# Allegro board board_orcad.brd (continued)
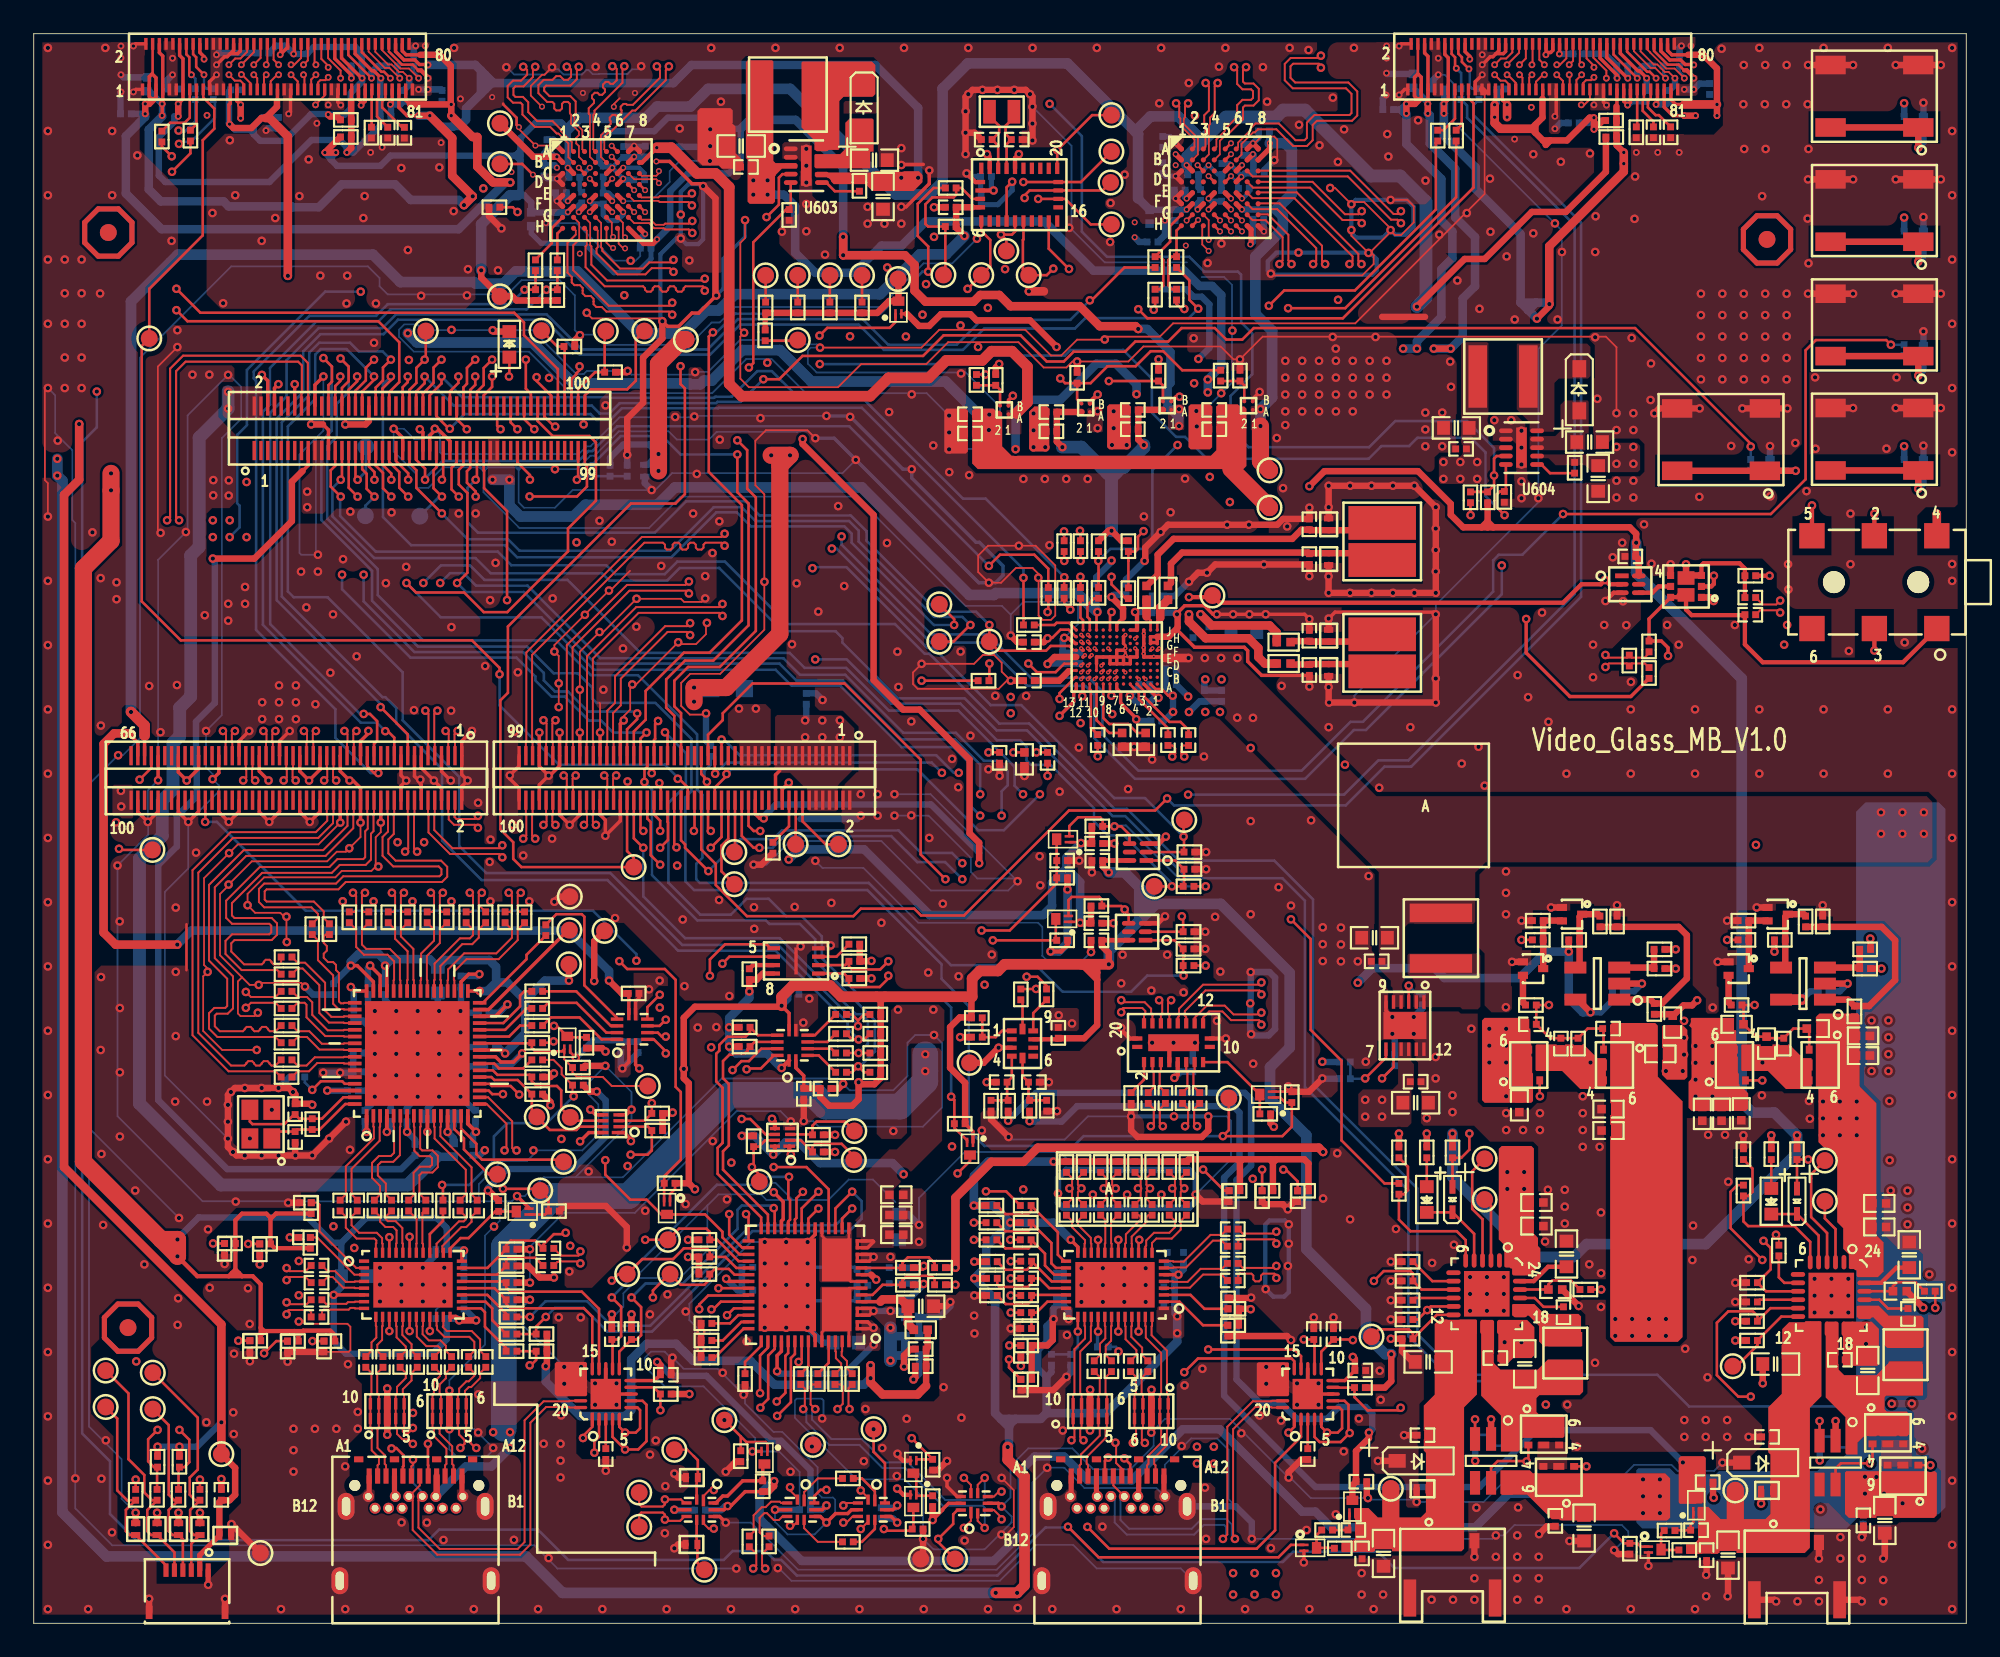
[diagram p0: board, top side]
## Routing (per net, layer and track width the routed paths; a pad name or vN(x,y) marks a point on that pad's centre or on a via; arc(x,y) is an arc through that point) (continued)
LCD_1V8_L: length 81.5
  TOP w0.305: U602.C5 v2(34.29,86.29) ; v2(36.95,82.05) 36.7,81.8 36.15,81.8 U602.H7 ; U602.D6 v2(34.94,85.64) ; U602.B7 v2(35.59,86.94)
  TOP w0.508: v1(65.47,76.73) 65.31,76.9 63.19,76.9 62,78.08 57.9,78.08 57.24,78.75 56.11,78.75 55.71,78.35 52.86,78.35 52.21,79 52.21,80.53 51.64,81.1 v1(47.98,81.1) v1(47.98,82.19)
  BOTTOM w0.254: C631.1 34.88,86.9 34.29,86.31 v2(34.29,86.29) v2(34.94,85.64)
  BOTTOM w0.305: v2(34.29,86.29) 34.19,86.39 C632.1 ; R601.1 29.49,82.4 30.07,81.81 32.64,81.81 34.39,80.07 35.75,80.07 36.59,80.9 C630.1
  BOTTOM w0.381: C632.1 33.53,86.61 33.53,87.82 34.17,88.46 36.78,88.46 37.58,89.26 40.26,89.26 40.92,88.6 41.91,88.6 41.91,86.66 41.2,85.95 38.78,85.95 37.73,84.91 37.73,82.83 v2(36.95,82.05) 36.59,81.69 C630.1 ; C634.1 35.6,86.93 v2(35.59,86.94) 35.55,86.9 C631.1 ; v2(34.94,85.64) 35.01,85.57 C633.1
  BOTTOM w0.508: 67.38,71.98 v1(67.89,71.98) 67.89,71.47 ; 67.38,71.98 67.89,71.47 ; 67.38,71.98 67.21,72.14 67.21,73.36 67.38,73.53 67.38,75.36 66.01,76.73 v1(65.47,76.73) ; 41.91,88.6 42.44,89.13 45.16,89.13 47.98,86.31 v1(47.98,82.19) v1(47.98,81.1) ; 67.89,71.47 v1(67.89,70.98)
LCD_1V8_R: length 36.7
  TOP w0.305: U601.C5 v2(70.97,86.44) ; v2(72.12,81.75) 72.16,81.79 72.16,82.62 U601.H7 ; U601.B7 v2(72.27,87.09) ; U601.D6 v2(71.58,85.75)
  ART06 w0.381: v2(71.58,85.75) 72.29,85.75 72.69,85.34 72.69,83.39 72.27,82.96 72.27,81.9 v2(72.12,81.75) 72.12,81.56 71.55,81
  ART06 w0.508: 67.27,79.65 67.29,79.64 67.29,79.28 ; 67.27,79.65 66.91,79.65 ; 67.27,79.65 67.67,79.65 ; 71.55,81 70.21,79.65 67.67,79.65 ; 67.29,79.27 67.67,79.65 ; 67.29,79.27 67.29,79.28 ; 67.29,79.27 67.34,79.22 67.34,77.22 64.85,74.73 64.85,73.38 64.08,72.62 63.83,72.62 v1(63.07,71.85) v1(63.07,70.85) ; 67.29,79.28 66.91,79.65 ; 66.91,79.65 66.08,79.65 65.26,80.47 v2(65.26,82.17) v2(65.26,83.05)
  BOTTOM w0.254: v2(70.97,86.44) 71.58,85.83 v2(71.58,85.75)
  BOTTOM w0.305: C625.1 70.87,86.54 v2(70.97,86.44)
  BOTTOM w0.381: v2(71.58,85.75) 71.78,85.95 C627.1 72.3,87.06 v2(72.27,87.09) 72.21,87.03 C629.1 ; C626.1 72.27,81.9 v2(72.12,81.75) ; C628.1 65.54,81.89 v2(65.26,82.17)
LL_VBAT: length 62.4
  TOP w0.381: R929.1 v1(59.03,29.77)
  BOTTOM w0.381: v1(97.76,9.53) 95.84,11.45 89.07,11.45 85.7,8.08 75.98,8.08 70.56,13.49 70.56,26.42 71.48,27.33 71.48,30.28 71.09,30.66 61.85,30.66 60.93,29.74 59.05,29.74 v1(59.03,29.77)
LLV1A: length 44.4
  TOP w0.114: J601.31 12.45,91.25 12.24,91.46 11.92,91.46 v5(11.57,91.8)
  TOP w0.152: U602.F7 v2(35.59,83.66)
  ART03 w0.102: v5(11.57,91.8) 11.4,91.64 11.4,91.36 11.08,91.03 9.93,91.03 9.72,90.82 9.72,90.61 9.88,90.45 9.88,90.25 9.72,90.09 9.72,89.91 9.92,89.71 9.92,89.42 9.72,89.22 9.72,88.71 9.79,88.64 9.79,88.62 ; 35.01,83.17 35.03,83.17 35.1,83.1 35.68,83.1 35.81,83.24 35.81,83.56 35.71,83.66 v2(35.59,83.66)
  ART03 w0.114: 35.01,83.17 34,83.17 33.89,83.29 33.89,83.35 33.77,83.46 33.54,83.46 33.43,83.35 33.43,83.29 33.32,83.17 33.11,83.17 32.66,82.72 32.5,82.72 32.37,82.84 32.21,82.84 32.05,82.68 32.05,82.52 32.17,82.4 32.17,82.23 31.59,81.65 31.3,81.65 31.18,81.76 31.18,81.78 31.07,81.89 30.84,81.89 30.72,81.78 30.72,81.76 30.61,81.65 26.81,81.65 25.64,82.82 8.63,82.82 8.51,82.93 8.51,84.39 8.63,84.5 9.25,84.5 9.79,85.04 9.79,85.64 9.9,85.76 9.94,85.76 10.05,85.87 10.05,86.1 9.94,86.21 9.9,86.21 9.79,86.33 9.79,86.56 9.9,86.67 9.94,86.67 10.05,86.79 10.05,87.01 9.94,87.13 9.9,87.13 9.79,87.24 9.79,87.47 9.9,87.59 9.94,87.59 10.05,87.7 10.05,87.93 9.94,88.04 9.9,88.04 9.79,88.16 9.79,88.62
LLV1B: length 44.5
  TOP w0.114: v5(11.57,92.4) 11.94,92.77 12.25,92.77 12.65,93.16 J601.32
  TOP w0.152: U602.F8 v2(36.24,83.66)
  ART03 w0.102: 9.44,88.62 9.44,88.64 9.51,88.71 9.51,90.9 9.85,91.24 11,91.24 11.2,91.44 11.2,92.03 v5(11.57,92.4) ; 35.01,82.83 35.02,82.83 35.09,82.9 35.76,82.9 36.02,83.15 36.02,83.56 36.12,83.66 v2(36.24,83.66)
  ART03 w0.114: 9.44,88.62 9.44,85.18 9.11,84.84 8.49,84.84 8.17,84.53 8.17,82.79 8.49,82.47 25.5,82.47 26.67,81.31 31.73,81.31 32.52,82.09 32.52,82.38 32.8,82.38 33.25,82.83 35.01,82.83
LLV2A: length 44
  TOP w0.102: 37.06,85.45 36.9,85.61 35.59,85.61 U602.C7
  TOP w0.114: J601.33 12.85,91.3 12.35,91.8 12.32,91.8 v5(12.31,91.82) ; v2(37.06,85.38) 37.06,85.45
  ART03 w0.102: v5(12.31,91.82) 12.31,91.8 12.14,91.64 12.14,91.29 11.71,90.86 11.54,90.86 10.85,90.16 10.85,88.77 10.92,88.7 10.92,88.67
  ART03 w0.114: 10.92,88.67 10.92,84.54 11.33,84.13 23.7,84.13 25.52,85.94 26.77,85.94 29.41,88.58 37.54,88.58 38.2,87.93 38.2,86.13 37.63,85.56 37.24,85.56 v2(37.06,85.38)
LLV2B: length 44.1
  TOP w0.102: U602.C8 36.04,85.81 36.9,85.81 37.06,85.97
  TOP w0.114: J601.34 13.05,93.14 v5(12.31,92.4) ; v2(37.06,86.09) 37.06,85.97
  ART03 w0.102: v5(12.31,92.4) 11.94,92.03 11.94,91.37 11.63,91.06 11.46,91.06 10.64,90.25 10.64,88.77 10.57,88.7 10.57,88.67
  ART03 w0.114: v2(37.06,86.09) 37.24,85.91 37.49,85.91 37.85,86.27 37.85,86.55 37.64,86.76 37.64,87 37.85,87.22 37.85,87.79 37.4,88.24 29.55,88.24 26.91,85.6 25.66,85.6 23.85,83.78 11.18,83.78 10.57,84.4 10.57,88.67
LLV3A: length 44.3
  TOP w0.114: J601.35 13.25,91.6 v5(13.04,91.8)
  TOP w0.152: U602.D7 v2(35.59,84.96)
  ART03 w0.102: 36.65,84.21 36.63,84.21 36.56,84.28 36.09,84.28 35.81,84.55 35.81,84.86 35.71,84.96 v2(35.59,84.96) ; v5(13.04,91.8) 12.88,91.64 12.88,88.64 12.95,88.57 12.95,88.54
  ART03 w0.114: 36.65,84.21 37.7,84.21 39.38,85.89 39.38,88.76 38.69,89.46 28.12,89.46 25.85,87.19 23.64,87.19 21.96,85.51 13.06,85.51 12.95,85.63 12.95,86.36 13.16,86.57 13.16,86.98 12.95,87.19 12.95,87.5 13.13,87.69 13.13,88.12 12.95,88.31 12.95,88.54
LLV3B: length 44.2
  TOP w0.114: J601.36 13.45,92.8 v5(13.04,92.4)
  TOP w0.152: U602.D8 v2(36.24,84.96)
  ART03 w0.102: 12.6,88.54 12.6,88.57 12.67,88.64 12.67,92.03 v5(13.04,92.4) ; v2(36.24,84.96) 36.12,84.96 36.02,84.86 36.02,84.63 36.17,84.48 36.56,84.48 36.63,84.55 36.65,84.55
  ART03 w0.114: 12.6,88.54 12.6,85.48 12.92,85.17 22.11,85.17 23.78,86.85 25.99,86.85 28.26,89.11 38.55,89.11 39.04,88.62 39.04,86.03 37.56,84.55 36.65,84.55
LLV4A: length 44.5
  TOP w0.102: U602.E7 35.57,84.33 37.03,84.33 37.1,84.26 37.12,84.26
  TOP w0.114: 37.12,84.26 38.81,84.26 v1(39.01,84.05) ; v5(13.78,91.8) 13.65,91.67 J601.37
  ART03 w0.102: v5(13.78,91.8) 13.61,91.64 13.61,91.24 14.61,90.25 14.61,89.45 14.67,89.38 14.67,89.36
  ART03 w0.114: 14.67,89.36 14.67,88.2 15.31,87.57 15.96,87.57 16.74,88.35 17.97,88.35 18.23,88.61 25.93,88.61 27.96,90.64 31.2,90.64 31.52,90.32 33.15,90.32 33.48,90.65 34.96,90.65 35.28,90.33 37.44,90.33 37.64,90.53 39.62,90.53 40.92,89.23 40.92,84.8 40.36,84.24 39.2,84.24 v1(39.01,84.05)
LLV4B: length 44.5
  TOP w0.102: 37.12,84.6 37.1,84.6 37.03,84.53 36.02,84.53 U602.E8
  TOP w0.114: v1(39.01,84.77) 38.85,84.6 37.12,84.6 ; v5(13.78,92.4) 13.85,92.46 J601.38
  ART03 w0.102: v5(13.78,92.4) 13.41,92.03 13.41,91.15 14.4,90.16 14.4,89.45 14.33,89.38 14.33,89.36
  ART03 w0.114: v1(39.01,84.77) 39.2,84.58 40.22,84.58 40.58,84.94 40.58,89.09 39.48,90.19 37.78,90.19 37.58,89.99 35.14,89.99 34.82,90.31 33.62,90.31 33.29,89.98 31.37,89.98 31.05,90.3 28.1,90.3 26.07,88.27 18.37,88.27 18.11,88.01 16.89,88.01 16.1,87.22 15.16,87.22 14.99,87.4 14.83,87.4 14.79,87.36 14.62,87.36 14.46,87.52 14.46,87.68 14.5,87.72 14.5,87.88 14.33,88.06 14.33,89.36
LLV5A: length 44.5
  TOP w0.102: U602.G7 35.59,83.01 36.47,83.01 36.78,82.7 37.34,82.7 37.41,82.63 37.44,82.63
  TOP w0.114: J601.39 14.05,91.42 14.43,91.8 v5(14.52,91.8) ; 37.44,82.63 38.83,82.63 v1(39.04,82.42)
  ART03 w0.102: v5(14.52,91.8) 14.4,91.69 14.4,91.46 14.95,90.91 16.47,90.91 16.54,90.98 16.56,90.98
  ART03 w0.114: v1(39.04,82.42) 39.22,82.61 40.57,82.61 41.9,83.93 41.9,90.39 40.74,91.54 24.69,91.54 23.66,90.51 22.16,90.51 21.7,90.98 16.56,90.98
LLV5B: length 44.4
  TOP w0.102: U602.G8 36.04,83.21 36.56,83.21 36.86,82.91 37.34,82.91 37.41,82.98 37.44,82.98
  TOP w0.114: 37.44,82.98 38.83,82.98 38.99,83.13 v1(39.04,83.13) ; J601.40 14.22,93.61 14.22,92.69 v5(14.52,92.4)
  ART03 w0.102: 16.56,90.63 16.54,90.63 16.47,90.7 14.87,90.7 14.15,91.43 14.15,92.03 v5(14.52,92.4)
  ART03 w0.114: 16.56,90.63 17.3,90.63 17.49,90.44 17.76,90.44 17.95,90.63 18.22,90.63 18.41,90.44 18.68,90.44 18.87,90.63 19.13,90.63 19.32,90.44 19.59,90.44 19.78,90.63 21.56,90.63 22.02,90.17 23.8,90.17 24.83,91.2 40.6,91.2 41.55,90.25 41.55,84.08 40.43,82.95 39.22,82.95 v1(39.04,83.13)
LLV6A: length 41.2
  TOP w0.102: U602.B2 31.69,86.91 31.69,87.73 31.1,88.32 31.01,88.32 30.99,88.33
  TOP w0.114: J601.53 16.85,91.34 16.99,91.48 17.29,91.48 v5(17.46,91.65) ; 30.99,88.33 30.61,88.71 29.7,88.71 28.97,89.44 28.97,90.03 28.85,90.15 28.41,90.15 28.09,90.46 28.09,91.14 28.41,91.45 28.89,91.45 29.25,91.81 29.25,92.09 29.13,92.2 29.08,92.2 v1(29.01,92.27)
  ART06 w0.102: v5(17.46,91.65) 17.37,91.65 15.78,90.06 15.78,88.94 15.85,88.87 15.85,88.85
  ART06 w0.114: v1(29.01,92.27) 29.01,92.2 29.09,92.12 29.09,91.96 28.83,91.69 27.36,91.69 27.24,91.81 27.24,92.1 27.13,92.22 26.9,92.22 26.79,92.1 26.79,91.81 26.67,91.69 26.17,91.69 25.71,91.23 25.71,90.71 26.02,90.39 26.32,90.39 26.43,90.28 26.43,89.94 25.15,88.66 23.13,88.66 22.81,88.34 22.81,87.54 22.69,87.41 22.47,87.41 22.36,87.53 22.36,88.35 22.08,88.63 22.08,89.26 21.74,89.6 21.1,89.6 20.78,89.28 20.78,88.01 21.06,87.73 21.06,86.74 20.64,86.31 19.68,86.31 19.48,86.51 18.62,86.51 18.42,86.31 18.08,86.31 17.88,86.51 17.02,86.51 16.82,86.31 15.74,86.31 15.49,86.57 15.49,86.93 15.6,87.04 15.76,87.04 15.88,87.15 15.88,87.38 15.76,87.5 15.6,87.5 15.49,87.61 15.49,87.85 15.85,88.21 15.85,88.85
LLV6B: length 41.2
  TOP w0.102: U602.A2 31.9,87.36 31.9,87.81 31.25,88.46 31.25,88.56 31.23,88.58
  TOP w0.114: v1(29.72,92.27) 29.72,92.2 29.59,92.07 29.59,91.67 29.03,91.11 28.55,91.11 28.44,91 28.44,90.6 28.55,90.49 29,90.49 29.31,90.17 29.31,89.59 29.84,89.05 30.76,89.05 31.23,88.58 ; J601.54 17.05,92.74 17.46,92.34 v5(17.46,92.24)
  ART06 w0.102: v5(17.46,92.24) 17.09,91.87 17.09,91.65 15.57,90.14 15.57,88.94 15.5,88.87 15.5,88.85
  ART06 w0.114: 15.5,88.85 15.5,88.35 15.14,87.99 15.14,86.43 15.6,85.97 16.96,85.97 17.16,86.17 17.74,86.17 17.93,85.97 18.56,85.97 18.76,86.17 19.34,86.17 19.54,85.97 20.78,85.97 21.41,86.6 21.41,87.87 21.13,88.15 21.13,89.14 21.24,89.26 21.6,89.26 21.74,89.12 21.74,88.48 22.01,88.21 22.01,87.39 22.33,87.07 22.83,87.07 23.16,87.4 23.16,88.2 23.27,88.32 25.3,88.32 26.78,89.8 26.78,90.42 26.46,90.74 26.17,90.74 26.05,90.85 26.05,91.09 26.32,91.35 28.97,91.35 29.72,92.11 v1(29.72,92.27)
LLV7A: length 40.9
  TOP w0.102: U602.B3 32.32,86.93 32.32,87.57 32.16,87.73 32.16,88.06 32.32,88.22 32.32,88.43 31.85,88.9 31.85,89.44 31.78,89.51 31.78,89.53
  TOP w0.114: J601.51 16.45,91.52 v5(16.73,91.8) ; 31.78,89.53 31.78,90.08 31.67,90.19 31.43,90.19 31.31,90.08 31.31,89.8 31.2,89.69 30.97,89.69 30.85,89.8 30.85,90.08 30.74,90.19 30.43,90.19 29.91,90.71 29.91,91.18 30.23,91.5 30.75,91.5 30.97,91.72 31.21,91.72 31.43,91.5 31.67,91.5 31.85,91.68 31.85,92.11 31.74,92.23 31.64,92.23 v1(31.6,92.27)
  ART06 w0.102: 14.45,87.83 14.45,87.86 14.38,87.93 14.38,88.54 14.55,88.72 14.55,88.93 14.38,89.1 14.38,89.4 16.56,91.58 16.56,91.64 v5(16.73,91.8)
  ART06 w0.114: 14.45,87.83 14.45,86.24 15.25,85.44 16.32,85.44 16.64,85.12 16.98,85.12 17.3,85.44 17.92,85.44 18.24,85.12 18.58,85.12 18.9,85.44 20.46,85.44 20.89,85.02 22.72,85.02 23.19,85.48 23.19,86.61 23.92,87.35 25.09,87.35 28.39,90.64 29.11,90.64 29.45,90.99 31.66,90.99 31.77,91.1 31.77,92.05 31.6,92.23 v1(31.6,92.27)
LLV7B: length 40.9
  TOP w0.102: 32.12,89.53 32.12,89.51 32.05,89.44 32.05,88.98 32.52,88.52 32.52,87.38 U602.A3
  TOP w0.114: v1(32.31,92.27) 32.31,92.23 32.19,92.11 32.19,91.54 31.81,91.16 30.37,91.16 30.26,91.04 30.26,90.85 30.57,90.53 31.81,90.53 32.12,90.22 32.12,89.53 ; J601.52 16.65,92.47 v5(16.73,92.4)
  ART06 w0.102: 14.11,87.83 14.11,87.86 14.18,87.93 14.18,89.48 16.36,91.66 16.36,92.03 v5(16.73,92.4)
  ART06 w0.114: 14.11,87.83 14.11,86.09 15.1,85.1 16.18,85.1 16.5,84.78 17.12,84.78 17.44,85.1 17.78,85.1 18.1,84.78 18.72,84.78 19.04,85.1 20.32,85.1 20.74,84.67 22.87,84.67 23.53,85.34 23.53,86.47 24.06,87.01 25.24,87.01 28.53,90.3 29.25,90.3 29.6,90.64 31.8,90.64 32.12,90.96 32.12,92.08 v1(32.31,92.27)
LLV8A: length 41.4
  TOP w0.102: 32.9,89.51 32.9,89.49 32.97,89.42 32.97,86.93 U602.B4
  TOP w0.114: 32.9,89.51 32.9,89.82 33.21,90.13 33.21,90.29 33.09,90.41 33.09,90.57 33.25,90.73 33.42,90.73 33.53,90.62 33.7,90.62 33.86,90.78 33.86,90.94 33.74,91.06 33.74,91.22 33.9,91.38 34.06,91.38 34.18,91.26 34.34,91.26 34.56,91.48 34.56,92.15 34.44,92.26 34.34,92.26 v1(34.3,92.31) ; v5(15.99,91.8) 16.05,91.74 J601.49
  ART06 w0.102: v5(15.99,91.8) 15.82,91.64 15.82,91.56 13.34,89.07 13.34,87.85 13.4,87.78 13.4,87.76
  ART06 w0.114: 13.4,87.76 13.4,85.91 15.19,84.12 23.11,84.12 28.51,89.52 31.93,89.52 33.61,91.2 33.61,91.51 33.52,91.6 33.52,91.77 33.69,91.93 33.85,91.93 33.94,91.84 34.1,91.84 34.3,92.04 v1(34.3,92.31)
LLV8B: length 41.5
  TOP w0.102: 33.24,89.51 33.24,89.49 33.17,89.42 33.17,87.38 U602.A4
  TOP w0.114: v5(15.99,92.4) 16.25,92.65 J601.50 ; v1(35.01,92.31) 35.01,92.26 34.9,92.15 34.9,91.33 33.24,89.67 33.24,89.51
  ART06 w0.102: v5(15.99,92.4) 15.62,92.03 15.62,91.65 13.13,89.16 13.13,87.85 13.06,87.78 13.06,87.76
  ART06 w0.114: 13.06,87.76 13.06,85.77 15.05,83.78 23.25,83.78 28.65,89.18 32.07,89.18 33.96,91.06 33.96,91.21 35.01,92.26 v1(35.01,92.31)
LLV9A: length 41.8
  TOP w0.114: J601.47 15.65,91.41 v5(15.25,91.8)
  TOP w0.152: U602.B6 v2(34.26,86.94)
  ART06 w0.102: 12.64,87.74 12.64,87.76 12.57,87.83 12.57,88.64 12.88,88.95 12.88,90.35 13.61,91.08 14.6,91.08 15.09,91.57 15.09,91.64 v5(15.25,91.8)
  ART06 w0.114: 12.64,87.74 12.64,86.82 11.42,85.61 11.42,83.85 12.46,82.81 25.53,82.81 27.14,84.42 27.14,86.05 29.64,88.55 32.92,88.55 33.04,88.67 33.04,88.77 33.15,88.88 33.38,88.88 33.49,88.77 33.49,88.67 33.61,88.55 33.84,88.55 33.95,88.67 33.95,88.77 34.06,88.88 34.29,88.88 34.41,88.77 34.41,88.67 34.52,88.55 34.76,88.55 35.08,88.24 35.08,87.43 34.74,87.09 34.41,87.09 v2(34.26,86.94)
LLV9B: length 41.7
  TOP w0.114: v5(15.25,92.4) 15.44,92.4 15.85,92.8 J601.48
  TOP w0.152: U602.A6 v2(34.26,87.59)
  ART06 w0.102: 12.3,87.74 12.3,87.76 12.37,87.83 12.37,88.73 12.67,89.04 12.67,90.43 13.53,91.29 14.52,91.29 14.88,91.65 14.88,92.03 v5(15.25,92.4)
  ART06 w0.114: v2(34.26,87.59) 34.41,87.44 34.6,87.44 34.73,87.57 34.73,88.09 34.62,88.21 29.78,88.21 27.48,85.91 27.48,84.28 25.67,82.47 12.32,82.47 11.08,83.71 11.08,85.75 12.3,86.96 12.3,87.74
LLV10A: length 41.4
  TOP w0.102: 34.03,88.72 34.01,88.7 34.01,88.6 33.62,88.21 33.62,86.93 U602.B5
  TOP w0.114: v1(36.94,92.3) 36.94,92.25 37.12,92.07 37.12,91.63 35.52,90.02 35.17,90.02 35.12,90.07 34.95,90.07 34.79,89.91 34.79,89.75 34.84,89.7 34.84,89.54 34.68,89.37 34.52,89.37 34.47,89.43 34.31,89.43 34.15,89.26 34.15,89.1 34.2,89.05 34.2,88.89 34.03,88.72 ; J601.55 17.25,90.57 16.71,90.03 v5(16.71,90.02)
  ART06 w0.102: 17.37,88.54 17.35,88.54 17.28,88.47 16.5,88.47 16.39,88.58 16.39,89.94 16.51,90.07 16.66,90.07 v5(16.71,90.02)
  ART06 w0.114: 17.37,88.54 17.96,88.54 18.07,88.65 18.07,88.79 18.18,88.9 18.41,88.9 18.53,88.79 18.53,88.65 18.64,88.54 18.87,88.54 18.98,88.65 18.98,88.79 19.1,88.9 19.33,88.9 19.44,88.79 19.44,88.65 19.56,88.54 19.77,88.54 19.89,88.65 19.89,90.4 20.24,90.75 21.84,90.75 22.15,90.45 23.62,90.45 26.35,93.18 38.48,93.18 38.8,92.86 38.8,91.95 38.2,91.35 37.44,91.35 37.12,91.67 37.12,92.07 36.94,92.25 v1(36.94,92.3)
LLV10B: length 41.4
  TOP w0.102: 34.27,88.48 34.25,88.46 34.16,88.46 33.82,88.13 33.82,87.38 U602.A5
  TOP w0.114: v5(18.19,91.6) 18.19,92.05 17.45,92.79 J601.56 ; v1(37.65,92.3) 37.65,92.25 37.47,92.07 37.47,91.48 35.66,89.68 35.47,89.68 34.27,88.48
  ART06 w0.102: 17.37,88.2 17.35,88.2 17.28,88.27 16.42,88.27 16.18,88.5 16.18,90.02 16.53,90.37 16.97,90.37 v5(18.19,91.6)
  ART06 w0.114: 17.37,88.2 19.91,88.2 20.23,88.51 20.23,90.26 20.38,90.41 21.7,90.41 22.01,90.11 23.76,90.11 26.49,92.84 38.34,92.84 38.46,92.72 38.46,92.09 38.06,91.69 37.58,91.69 37.47,91.81 37.47,92.07 37.65,92.25 v1(37.65,92.3)
LT_I2C_SCL: length 9.3
  TOP w0.152: U702.7 32.36,29.44 32.17,29.25 30.59,29.25 TP710.1 29.52,30.31 R703.1 28.69,32.21 27.3,32.21 27.13,32.38 U705.21
LT_I2C_SDA: length 9.4
  TOP w0.152: U702.6 32,29.79 TP709.1 31.27,30.53 31.27,31.6 31.01,31.85 29.79,31.85 29.52,32.12 R702.1 29.4,32.51 27.48,32.51 27.21,32.78 U705.22
LT_VCC12: length 66
  TOP w0.203: v1(19.94,38.99) 20.53,38.39 U705.46 ; U705.34 25.33,38.03 25.78,38.48 v1(26.42,38.48) ; U705.48 19.03,37.48 v1(18.8,37.72) ; v1(28.96,33.78) 28.45,33.27 27.69,33.27 27.38,33.58 U705.24 ; U705.30 27.37,35.98 v1(28.08,36.69)
  TOP w0.229: U705.4 v1(20.93,29.13) ; U705.1 v1(19.73,29.13) ; U705.10 v1(23.33,29.13) ; U705.13 v1(24.53,29.13)
  TOP w0.381: TP713.1 33.22,40.44 v1(33.22,38.07)
  ART06 w0.762: v1(28.08,36.69) 28.08,35.62 28.96,34.75 v1(28.96,33.78) 28.96,33.66 26.42,31.11 26.42,30.56 24.99,29.13 v1(24.53,29.13) v1(23.33,29.13) 23.33,28.62 22.82,28.1 21.44,28.1 20.93,28.61 v1(20.93,29.13) v1(19.73,29.13) 19.73,30 18.72,31.01 18.72,32.08 v1(18.16,32.64) 18.16,37.08 v1(18.8,37.72) 18.8,37.85 v1(19.94,38.99) ; v1(28.08,36.69) 28.08,38.11 27.71,38.48 v1(26.42,38.48) ; v1(28.08,36.69) 31.84,36.69 v1(33.22,38.07)
  BOTTOM w0.381: C724.1 19.63,29.23 v1(19.73,29.13) ; C719.1 27.58,36.2 v1(28.08,36.69) ; C717.1 24.89,29.49 v1(24.53,29.13) 24.89,28.77 R715.1 ; v1(19.94,38.99) 19.81,38.86 C725.1 ; v1(17.16,32.64) v1(18.16,32.64) 18.88,32.64 C726.1 C722.1 ; v1(18.8,37.72) 18.97,37.54 C723.1 ; C718.1 28.19,33.02 v1(28.96,33.78) ; v1(20.93,29.13) 21.16,29.36 C727.1 ; C720.1 26.3,38.37 v1(26.42,38.48)
LT_VCC33: length 133
  TOP w0.203: v1(18.8,38.99) 19.18,38.99 20.13,38.03 U705.47 ; U705.33 v1(26.43,37.48) ; v1(34.89,32.89) 35.28,33.28 U701.1 ; v1(27.94,33.78) 27.74,33.98 U705.25 ; U702.8 32.91,29.09 v1(32.38,28.57) ; U705.62 v1(17.4,31.58) ; U705.45 20.93,38.88 v1(20.83,38.99)
  TOP w0.229: v1(26.21,29.13) 25.73,29.61 U705.16 ; U705.7 v1(22.13,29.13)
  TOP w0.254: v1(60.27,39.83) 60.9,39.83 61.28,40.21 R711.1
  TOP w0.381: R703.2 30.63,30.91 v1(30.63,30.71) ; R702.2 30.62,32.38 v1(30.84,32.6) ; R716.2 v1(61.28,43.5) ; TP714.1 v1(31.72,38.1)
  ART03 w0.508: v1(40.16,34.15) 40.78,33.53 41.6,33.53 42.96,34.89 45.9,34.89 48.12,37.11 50.82,37.11 52.28,38.57 52.28,39.1 52.88,39.7 53.4,39.7 55.74,42.03 58.07,42.03 v1(60.27,39.83) ; v1(30.84,32.6) 30.46,32.97 28.75,32.97 v1(27.94,33.78) ; v1(26.43,37.48) 26.43,35.73 25.98,35.28 25.98,29.36 v1(26.21,29.13) 25.73,29.13 25.12,29.74 22.75,29.74 v1(22.13,29.13) 21.29,29.97 20.12,29.97 18.51,31.58 v1(17.4,31.58)
  ART05 w0.508: v1(40.16,34.15) 40.16,31.07 35.15,26.07 32.42,26.07 31.92,26.57 31.92,28.1 v1(32.38,28.57) 32.38,28.95 v1(30.63,30.71) 30.84,30.92 v1(30.84,32.6)
  ART06 w0.508: v1(34.89,32.89) 34.89,34.37 34.56,34.7 32.26,34.7 30.84,33.27 v1(30.84,32.6) 30.84,30.92 v1(30.63,30.71) 32.38,28.95 v1(32.38,28.57)
  BOTTOM w0.381: v1(18.8,38.99) 17.78,37.97 C714.1 ; v1(27.94,33.78) 27.56,34.16 C710.1 ; C711.1 26.04,28.96 v1(26.21,29.13) 26.19,29.16 C716.1 ; C713.1 v1(20.83,38.99) ; C703.1 35.82,33.82 v1(34.89,32.89) 34.8,32.99 C704.1 ; v1(17.4,31.58) 17.41,31.57 C715.1 ; C712.1 22.12,29.14 v1(22.13,29.13) 22.61,28.66 R714.1
  BOTTOM w0.508: v1(27.94,33.78) 29.13,34.98 29.13,36.93 ; 27.41,37.99 28.08,37.99 29.13,36.93 ; 27.41,37.99 27.41,38.91 27,39.32 24.39,39.32 C709.1 23.47,39.37 21.21,39.37 v1(20.83,38.99) 20.83,39.29 20.45,39.67 19.25,39.67 18.8,39.22 v1(18.8,38.99) ; 27.41,37.99 26.9,37.48 v1(26.43,37.48) ; v1(31.72,38.1) 30.3,38.1 29.13,36.93 ; v1(60.27,39.83) 60.77,39.83 61.28,40.34 v1(61.28,43.5)
MICBIAS1: length 39.1
  TOP w0.152: v3(64.09,56.37) 64.2,56.48 U1001.C7
  TOP w0.203: R1009.2 94.67,54.94 91.06,54.94 88.47,57.53 v1(88.47,59.54)
  GND02 w0.254: 64.66,56.82 64.21,56.37 v3(64.09,56.37)
  GND02 w0.305: 64.66,56.82 66.62,56.82 67.36,56.08 69.32,56.08 v1(69.44,55.96)
  ART03 w0.254: v1(88.47,59.54) 88.39,59.54 85.79,56.93 72.94,56.93 72.5,56.49 69.98,56.49 v1(69.44,55.96)
  BOTTOM w0.381: v1(69.44,55.96) 69.39,55.91 C1027.1 C1028.1
MICBIAS2: length 48
  TOP w0.152: U1001.C6 64.6,56.48 v3(64.71,56.37)
  TOP w0.254: R1012.2 v1(102.9,62.1)
  GND02 w0.254: 64.99,56.37 v3(64.71,56.37)
  GND02 w0.305: 64.99,56.37 66.24,56.37 67.06,55.55 67.82,55.55 v1(68.43,54.94)
  ART03 w0.254: v1(68.43,54.94) 68.43,55.7 67.67,56.46 67.67,57.73 68.25,58.32 72.18,58.32 72.93,57.57 85.52,57.57 89.11,61.16 99.57,61.16 100.51,62.1 v1(102.9,62.1)
  BOTTOM w0.381: C1030.1 C1029.1 v1(68.43,54.94)
MICDET1/HPOUTFB2: length 65
  TOP w0.152: U1001.B13 61.75,56.08 60.81,55.14 v1(60.81,54.8)
  TOP w0.203: U1002.6 95.75,59.54 R1011.1 96.48,58.23 96.88,57.84 v1(96.88,57.35)
  TOP w0.254: J1003.1 110.81,56.97 102.49,56.97 101.43,58.03 C1025.2 101.41,59.77 98.27,59.77 97.94,60.1 U1002.7 97.54,60.97 97.41,60.83 97.04,60.83 U1002.6
  ART06 w0.203: v1(60.81,54.8) 60.87,54.8 61.91,55.83 64,55.83 65.15,56.99 65.68,56.99 67.69,58.99 92.42,58.99 92.88,58.53 95.7,58.53 v1(96.88,57.35)
MICVDD: length 2.7
  TOP w0.152: U1001.C13 61.41,56.48 61.37,56.44
  TOP w0.381: C1010.1 60.78,55.88 61.34,56.44 61.37,56.44
MIPI_CSI0_CLK_N: length 25.2
  TOP w0.114: J501.18 22.17,47.99 22.2,47.96 22.2,45.93 v1(22.01,45.75) ; v1(12.57,36.49) 12.87,36.79 14.33,36.79 R734.2
  ART06 w0.114: v1(22.01,45.75) 22.2,45.56 22.2,44.96 21.63,44.39 12.91,44.39 11.44,42.92 11.44,37.25 11.9,36.79 12.46,36.79 12.57,36.67 v1(12.57,36.49)
MIPI_CSI0_CLK_P: length 25.1
  TOP w0.114: R735.2 14.33,37.13 12.87,37.13 v1(12.57,37.43) ; J501.16 22.57,47.99 22.54,47.96 22.54,45.93 v1(22.73,45.75)
  ART06 w0.114: v1(12.57,37.43) 12.57,37.24 12.46,37.13 12.05,37.13 11.79,37.39 11.79,38 11.9,38.12 11.93,38.12 12.04,38.23 12.04,38.46 11.93,38.57 11.9,38.57 11.79,38.69 11.79,38.92 11.9,39.03 11.93,39.03 12.04,39.15 12.04,39.37 11.93,39.49 11.9,39.49 11.79,39.6 11.79,42.78 13.05,44.04 21.77,44.04 22.54,44.82 22.54,45.56 v1(22.73,45.75)
MIPI_CSI0_LANE0_N: length 24
  TOP w0.114: J501.24 20.97,47.99 21,47.96 21,46.93 20.68,46.61 20.68,45.5 21.31,44.87 24,44.87 24.17,44.7 24.17,44.4 24.05,44.28 18.35,44.28 17.92,43.85 13.66,43.85 13.35,43.54 13.35,42.76 13.66,42.44 16.46,42.44 16.85,42.06 16.85,41.8 R738.2
MIPI_CSI0_LANE0_P: length 24
  TOP w0.114: J501.22 21.37,47.99 21.34,47.96 21.34,46.79 21.02,46.47 21.02,45.64 21.45,45.21 24.15,45.21 24.51,44.85 24.51,44.26 24.2,43.94 18.49,43.94 18.06,43.51 13.8,43.51 13.69,43.4 13.69,42.9 13.8,42.79 16.6,42.79 17.19,42.2 17.19,41.8 R739.2
MIPI_CSI0_LANE1_N: length 24.5
  TOP w0.114: R736.2 14.67,38.5 14.44,38.72 12.33,38.72 11.37,39.68 11.37,40.45 11.76,40.84 13.96,40.84 14.08,40.96 14.08,41.35 13.96,41.47 11.76,41.47 11.4,41.82 11.4,42.84 13.4,44.83 17.53,44.83 18,45.3 19.53,45.3 19.65,45.42 19.65,46.95 19.8,47.1 19.8,47.96 19.77,47.99 J501.30
MIPI_CSI0_LANE1_P: length 24.5
  TOP w0.114: R737.2 14.67,39.18 14.55,39.06 14.21,39.06 14.09,39.18 14.09,39.22 13.98,39.33 13.75,39.33 13.64,39.22 13.64,39.18 13.52,39.06 12.47,39.06 11.71,39.82 11.71,40.31 11.9,40.5 14.11,40.5 14.42,40.82 14.42,41.5 14.11,41.81 11.9,41.81 11.75,41.96 11.75,42.69 13.54,44.49 17.67,44.49 18.14,44.96 19.67,44.96 19.99,45.27 19.99,46.81 20.14,46.96 20.14,47.96 20.17,47.99 J501.28
MIPI_CSI0_LANE2_N: length 25.6
  TOP w0.114: J501.36 18.57,47.99 18.6,47.96 18.6,47.28 17.16,45.83 12.45,45.83 10.39,43.77 10.39,39.29 11.47,38.21 11.47,36.59 11.35,36.48 10.7,36.48 10.39,36.17 10.39,35.25 10.89,34.75 14.33,34.75 R732.2
MIPI_CSI0_LANE2_P: length 25.5
  TOP w0.114: J501.34 18.97,47.99 18.94,47.96 18.94,47.14 17.3,45.49 12.59,45.49 10.73,43.63 10.73,39.43 11.81,38.35 11.81,36.45 11.5,36.14 10.85,36.14 10.73,36.02 10.73,35.39 11.03,35.1 12.4,35.1 12.51,35.21 12.51,35.24 12.62,35.36 12.85,35.36 12.97,35.24 12.97,35.21 13.08,35.1 13.31,35.1 13.42,35.21 13.42,35.24 13.54,35.36 13.77,35.36 13.88,35.24 13.88,35.21 14,35.1 14.33,35.1 R733.2
MIPI_CSI0_LANE3_N: length 26.5
  TOP w0.114: R730.2 14.33,32.72 11.55,32.72 9.41,34.86 9.41,44.64 11.67,46.9 16.72,46.9 17.4,47.58 17.4,47.96 17.37,47.99 J501.42
MIPI_CSI0_LANE3_P: length 26.4
  TOP w0.114: J501.40 17.77,47.99 17.74,47.96 17.74,47.43 16.87,46.56 11.81,46.56 9.75,44.5 9.75,35 11.69,33.06 12.49,33.06 12.6,33.18 12.6,33.21 12.72,33.32 12.95,33.32 13.06,33.21 13.06,33.18 13.17,33.06 13.4,33.06 13.52,33.18 13.52,33.21 13.63,33.32 13.86,33.32 13.97,33.21 13.97,33.18 14.09,33.06 14.33,33.06 R731.2
MIPI_CSI1_CLK_N: length 25.5
  TOP w0.114: R744.2 23.61,42.17 23.73,42.29 23.73,43.12 v1(23.54,43.31) ; J501.41 17.37,50.63 17.4,50.6 17.4,50.15 v1(17.21,49.97)
  ART03 w0.114: v1(17.21,49.97) 17.4,49.79 17.4,48.73 17.1,48.44 16,48.44 14.06,46.5 14.06,43.93 14.37,43.62 15.47,43.62 15.8,43.95 15.8,46.18 16.19,46.57 20.02,46.57 21.86,44.73 23.24,44.73 23.72,44.24 23.72,43.49 v1(23.54,43.31)
MIPI_CSI1_CLK_P: length 25.5
  TOP w0.114: J501.39 17.77,50.63 17.74,50.6 17.74,50.15 v1(17.93,49.97) ; R745.2 24.19,42.17 24.07,42.29 24.07,43.13 v1(24.25,43.31)
  ART03 w0.114: v1(17.93,49.97) 17.74,49.79 17.74,48.59 17.24,48.09 16.14,48.09 14.4,46.35 14.4,44.07 14.52,43.96 15.33,43.96 15.46,44.09 15.46,46.32 16.05,46.91 20.16,46.91 22.01,45.07 23.38,45.07 24.07,44.39 24.07,43.49 v1(24.25,43.31)